# Altium PCB test_stand_2 — копия.PcbDoc
Units mm, origin at the board's own origin, x right, y up, seen from the top; angles counter-clockwise.
Board outline 94 x 80 mm, 2 copper layers (Top Layer, Bottom Layer); 198 components, 161 nets, 713 pads, 0 vias.
Unrouted connection lines stored in the file: 456.
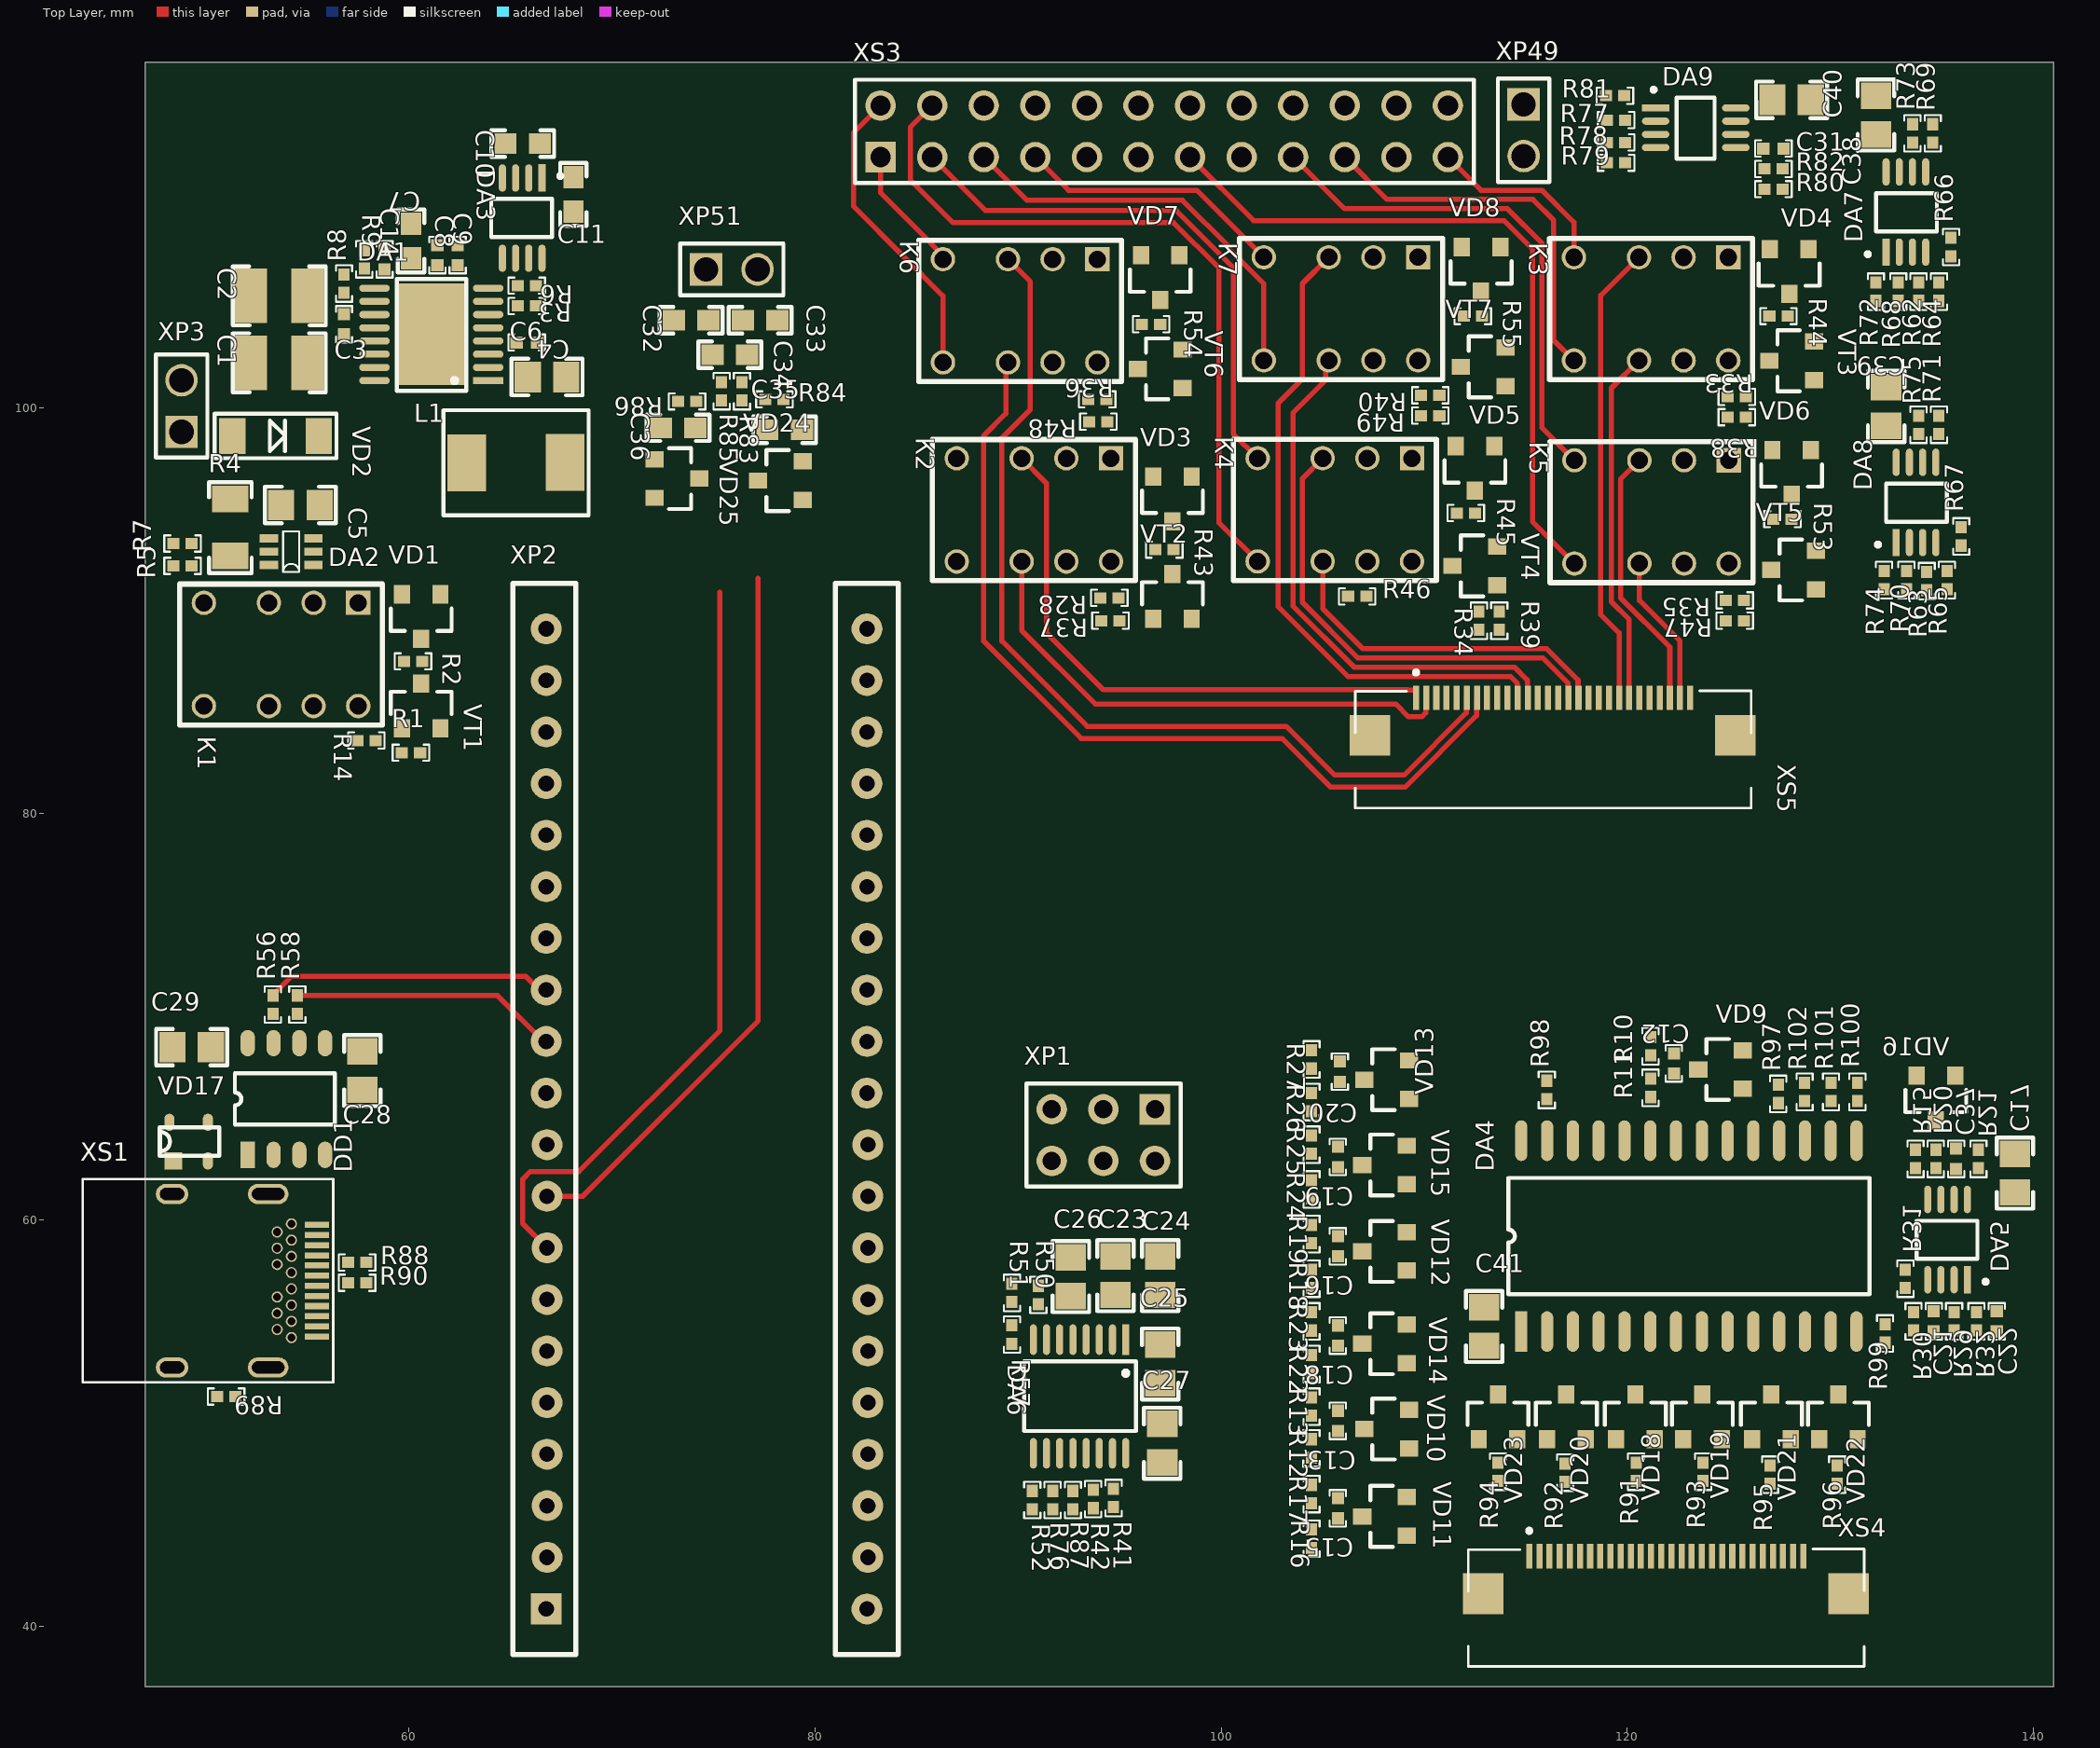
[diagram p0: Top Layer view]
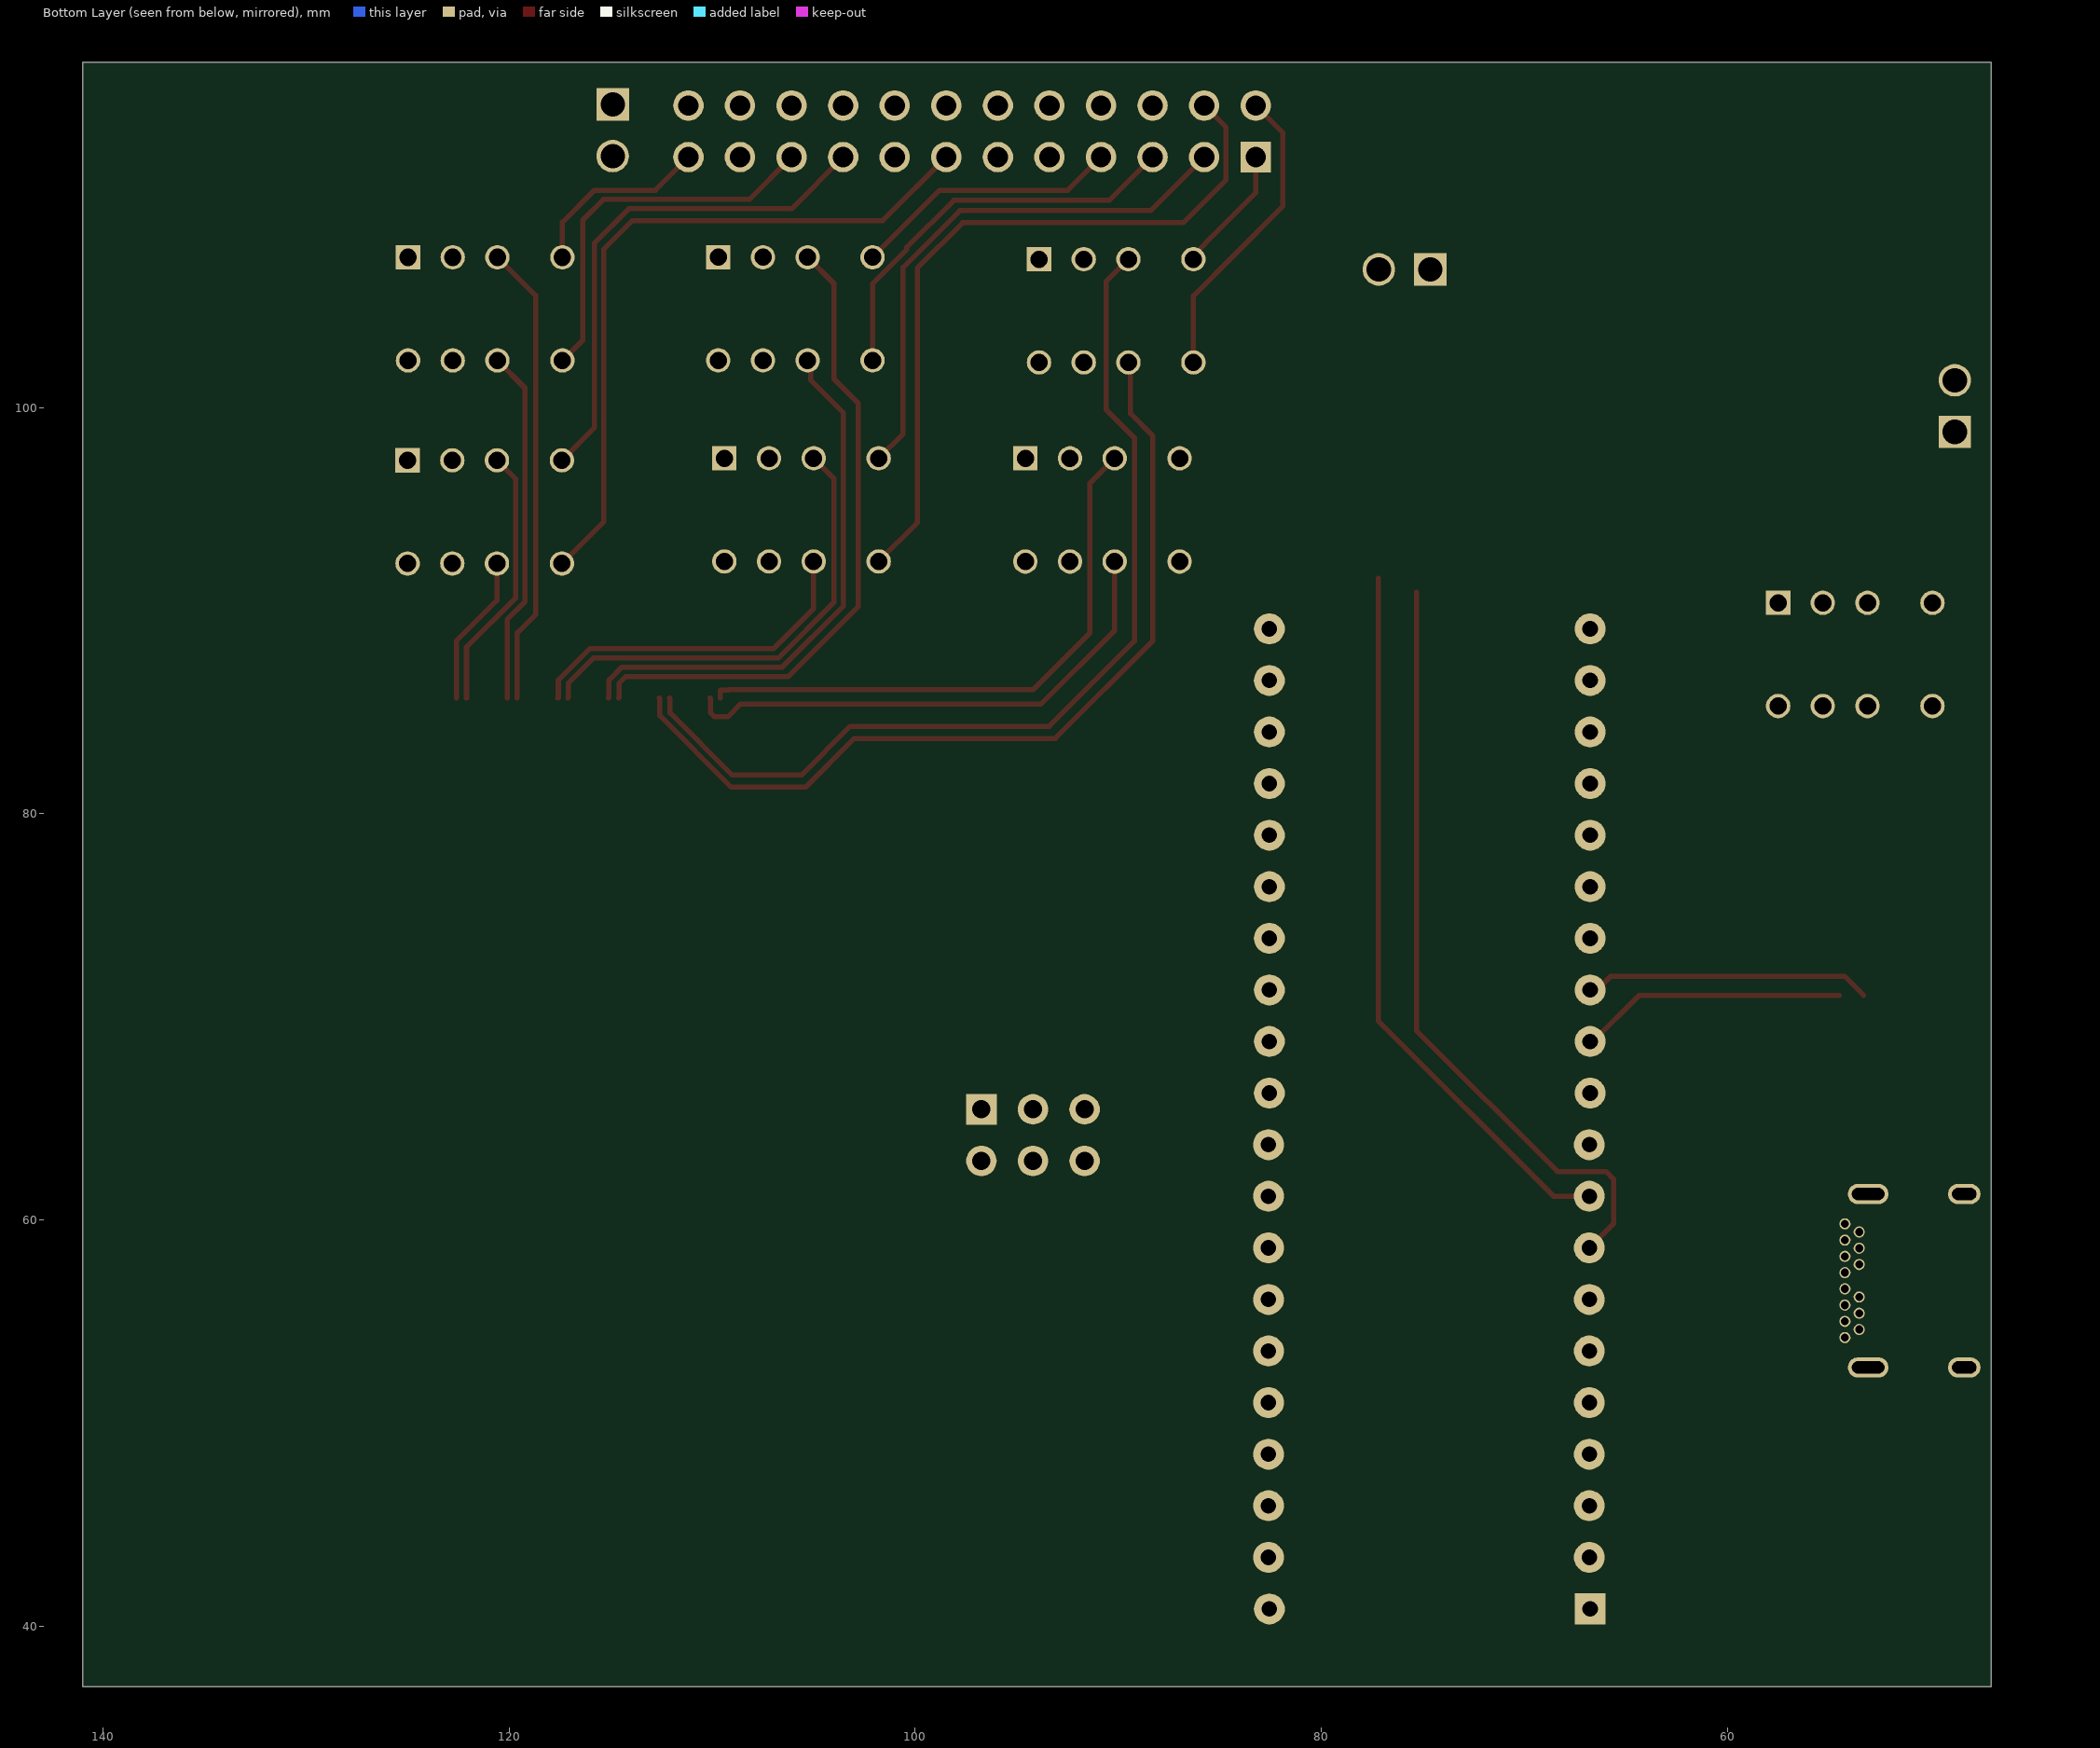
[diagram p1: Bottom Layer view, seen from below]

## Layer stack, top to bottom
Top Solder: solder mask 0.0102, Solder Resist, Dk 3.5
Top Layer: signal copper 0.0356
Dielectric 1: dielectric 0.32, FR-4, Dk 4.8
Bottom Layer: signal copper 0.0356
Bottom Solder: solder mask 0.0102, Solder Resist, Dk 3.5

## Board outline
47,37 141,37 141,117 47,117

## Design rules (kind name [scope] priority, off if disabled: settings)
Clearance [All] p1: gap=0.2 ignorepadtopadclearanceinfootprint=TRUE
DiffPairsRouting [All] p1: maxlimit=0.254 minlimit=0.254 mostfreqgap=0.254 toplayer_minwidth=0.381 toplayer_maxwidth=0.381 toplayer_prefwidth=0.381 bottomlayer_minwidth=0.381 bottomlayer_maxwidth=0.381 bottomlayer_prefwidth=0.381 maxuncoupledlength=12.7
HoleToHoleClearance [All] p1: gap=0.2 allowstackedmicrovias=TRUE
PolygonConnect [All] p1: connectstyle=Relief reliefconductorwidth=0.254 reliefentries=4 polygonreliefangle="90 Angle" airgapwidth=0.254
RoutingVias [All] p1: holewidth=0.711 width=1.27 viastyle="Through Hole" minholewidth=0.711 minwidth=1.27 maxholewidth=0.711 maxwidth=1.27
SolderMaskExpansion [All] p1: expansion=0.102 istentingtop=FALSE
Width [All] p1: maxlimit=0.5 minlimit=0.1 preferedwidth=0.254
28 further rules are at their usual default settings.

## Classes and differential pairs
component class STM: C23 C24 C25 C26 C27 DA6 R41 R42 R50 R51 R52 R57 R76 R87 XP2
component class Rele: R28 R33 R34 R35 R36 R37 R38 R39 R40 R43 R44 R45 R46 R47 R48 R49 R53 R54 R55 VD3 VD4 VD5 VD6 VD7 VD8 VT2 VT3 VT4 VT5 VT6 VT7 К2 К3 К4 К5 К6 К7
component class Power: C1 C2 C3 C4 C5 C6 C7 C8 C9 C10 C11 C14 DA1 DA2 DA3 L1 R1 R2 R3 R4 R5 R6 R7 R8 R9 R14 VD1 VD2 VT1 XP3 К1
component class Peltie: C32 C33 C34 C35 C36 R83 R84 R85 R86 VD24 VD25 XP51
component class MUX: C41 DA4 R91 R92 R93 R94 R95 R96 R97 R98 R99 R100 R101 R102 VD18 VD19 VD20 VD21 VD22 VD23
component class ControlPoint: C12 C13 C15 C16 C17 C18 C19 C20 C21 C22 C37 DA5 R10 R11 R12 R13 R15 R16 R17 R18 R19 R20 R21 R22 R23 R24 R25 R26 R27 R29 R30 R31 R32 VD9 VD10 VD11 VD12 VD13 VD14 VD15 VD16 XP1 XS4 XS5
component class Connectors: C28 C29 DD1 R56 R58 R88 R89 R90 VD17 XS1 XS3
component class Check_Laser: C31 C38 C39 C40 DA7 DA8 DA9 R62 R63 R64 R65 R66 R67 R68 R69 R70 R71 R72 R73 R74 R75 R77 R78 R79 R80 R81 R82 XP49
differential pair D: +D_P -D_N

## Components (designator, comment, footprint, x,y, rotation, side; value= is the part's Value field where it differs from the comment)
C1 "22uF" 1210C 53.6,102.2 r0 top
C2 "22uF" 1210C 53.6,105.5 r0 top
C3 "10nF" 0402C 56.8,104.1 r90 top
C4 "10uF" 0402C 65.8,103.2 r180 top
C5 "0.1uF" 0805C 54.65,95.2 r180 top
C6 "0.1uF" 0805C 66.8,101.5 r180 top
C7 "100uF" 0603C 60.1,108.2 r270 top
C8 "100nF" 0402C 61.4,107.5 r270 top
C9 "100nF" 0402C 62.4,107.5 r270 top
C10 "1uF" 0603C 65.6,113 r0 top
C11 "1uF" 0603C 68.1,110.5 r90 top
C12 "100nF" 0402C 122.3,67.7 r270 top
C13 "100nF" 0402C 105.751,50.097 r270 top
C14 "10nF" 0402C 58.8,107.3 r90 top
C15 "100nF" 0402C 105.751,45.797 r270 top
C16 "100nF" 0402C 105.751,58.697 r270 top
C17 "0.1uF" 0805C 139.1,62.3 r90 top
C18 "100nF" 0402C 105.751,54.297 r270 top
C19 "100nF" 0402C 105.751,63.097 r270 top
C20 "100nF" 0402C 105.851,67.297 r270 top
C21 "10nF" 0402C 135.1,55 r90 top
C22 "10nF" 0402C 138.2,55 r90 top
C23 "0.1uF" 0805C 94.8,57.25 r270 top
C24 "0.1uF" 0805C 97,57.25 r270 top
C25 "0.1uF" 0805C 97,52.9 r270 top
C26 "0.1uF" 0805C 92.6,57.2 r270 top
C27 "0.1uF" 0805C 97.1,49 r90 top
C28 "0.1uF" 0805C 57.7,67.35 r90 top
C29 "0.1uF" 0805C 49.3,68.5 r0 top
C31 "100nF" 0402C 127.2,112.75 r180 top
C32 "1uF" 0603C 73.9,104.3 r180 top
C33 "1uF" 0603C 77.3,104.3 r0 top
C34 "1uF" 0603C 75.8,102.6 r180 top
C35 "1uF" 0603C 78.5,98.9 r180 top
C36 "1uF" 0603C 73.25,99 r0 top
C37 "10nF" 0402C 136.2,63 r270 top
C38 "0.1uF" 0805C 132.25,114.4 r90 top
C39 "0.1uF" 0805C 132.75,100.05 r90 top
C40 "0.1uF" 0805C 128.1,115.15 r0 top
C41 "0.1uF" 0805C 112.95,54.747 r90 top
DA1 "LM43603PWPR" TSSOP-17 61.1,103.6 r90 top value=LM43603QWPR
DA2 "INA210AIDCKT" SC-70-6 54.2,92.9 r90 top
DA3 "ADP3333ARMZ-5" MSOP-8#1 66.55,111.3 r180 top
DA4 "MPC506AU" SOIC-28 123.038,59.198 r90 top
DA5 "AD8066ARMZ" MSOP-8#2 136.75,57.05 r180 top
DA6 "ADM3202ARU" TSSOP-16 93.025,51.3 r180 top
DA7 "AD8066ARMZ" MSOP-8#1 132.75,107.65 r0 top
DA8 "AD8066ARMZ" MSOP-8#1 133.25,93.35 r0 top
DA9 "AD8066ARMZ" MSOP-8#1 121.4,114.75 r270 top
DD1 "CH340N" SOP8 52.06,63.2 r90 top
L1 "IHLP2020BZER3R3M01" IHLP2020CZ-01 62.849,97.275 r0 top
R1 "1K" R0402 60.1,83 r180 top
R2 "24R" R0402 60.2,87.5 r0 top
R3 "18.2K" R0402 65.8,105 r180 top
R4 "0.018R" R1206 51.2,94.1 r270 top
R5 "100K" R0402 48.85,92.2 r180 top
R6 "10K" R0402 65.8,106 r180 top
R7 "20K" R0402 48.85,93.3 r0 top
R8 "8.2K" R0402 56.8,106.1 r90 top
R9 "40.2K" R0402 57.8,107.3 r90 top
R10 "100K" R0402 121.15,68.547 r270 top
R11 "56K" R0402 121.151,66.497 r270 top
R12 "100K" R0402 104.45,48.747 r90 top
R13 "56K" R0402 104.451,50.797 r90 top
R14 "100R" R0402 57.9,83.6 r180 top
R15 "100R" R0402 134.2,63 r270 top
R16 "100K" R0402 104.451,44.297 r90 top
R17 "56K" R0402 104.451,46.497 r90 top
R18 "100K" R0402 104.451,57.097 r90 top
R19 "56K" R0402 104.451,59.297 r90 top
R20 "100K" R0402 135.2,63 r270 top
R21 "10K" R0402 137.3,63 r270 top
R22 "100K" R0402 104.451,52.897 r90 top
R23 "56K" R0402 104.451,54.997 r90 top
R24 "100K" R0402 104.451,61.497 r90 top
R25 "56K" R0402 104.451,63.697 r90 top
R26 "100K" R0402 104.451,65.797 r90 top
R27 "56K" R0402 104.451,67.897 r90 top
R28 "100R" R0402 94.496,90.623 r180 top
R29 "100K" R0402 136.1,55 r90 top
R30 "100K" R0402 134.1,55 r90 top
R31 "100K" R0402 133.7,57.1 r90 top
R32 "10K" R0402 137.2,55 r90 top
R33 "100R" R0402 125.396,100.523 r180 top
R34 "100R" R0402 112.7,89.5 r270 top
R35 "100R" R0402 125.3,90.5 r180 top
R36 "100R" R0402 93.9,100.4 r180 top
R37 "1K" R0402 94.55,89.5 r0 top
R38 "1K" R0402 125.396,99.523 r0 top
R39 "1K" R0402 113.7,89.5 r90 top
R40 "100R" R0402 110.3,100.6 r180 top
R41 "0R" R0402 94.7,46.3 r90 top
R42 "0R" R0402 93.7,46.25 r90 top
R43 "24R" R0402 97.2,93 r0 top
R44 "24R" R0402 127.45,104.5 r0 top
R45 "24R" R0402 112.05,94.8 r0 top
R46 "10K" R0402 106.7,90.7 r180 top
R47 "1K" R0402 125.3,89.5 r0 top
R48 "1K" R0402 93.95,99.3 r0 top
R49 "1K" R0402 110.3,99.6 r0 top
R50 "0R" R0402 91,56.3 r270 top
R51 "0R" R0402 89.7,56.4 r270 top
R52 "0R" R0402 90.7,46.2 r270 top
R53 "24R" R0402 127.65,94.5 r0 top
R54 "24R" R0402 96.55,104.1 r0 top
R55 "24R" R0402 112.4,104.5 r0 top
R56 "33R" R0402 53.3,70.6 r90 top
R57 "0R" R0402 89.7,54.35 r270 top
R58 "33R" R0402 54.5,70.6 r90 top
R62 "10K" R0402 134.35,105.7 r90 top
R63 "10K" R0402 134.75,91.45 r90 top
R64 "10K" R0402 135.35,105.7 r270 top
R65 "10K" R0402 135.75,91.5 r270 top
R66 "10K" R0402 135.95,107.9 r270 top
R67 "10K" R0402 136.45,93.65 r270 top
R68 "10K" R0402 133.35,105.7 r270 top
R69 "10K" R0402 135.05,113.5 r270 top
R70 "10K" R0402 133.75,91.5 r270 top
R71 "10K" R0402 135.35,99.15 r270 top
R72 "10K" R0402 132.25,105.7 r90 top
R73 "10K" R0402 134.05,113.5 r90 top
R74 "10K" R0402 132.65,91.5 r90 top
R75 "10K" R0402 134.35,99.15 r90 top
R76 "0R" R0402 91.7,46.2 r270 top
R77 "10K" R0402 119.45,114.15 r0 top
R78 "10K" R0402 119.45,113.05 r0 top
R79 "10K" R0402 119.45,112.05 r180 top
R80 "20K" R0402 127.2,110.75 r180 top
R81 "10K" R0402 119.4,115.35 r0 top
R82 "10K" R0402 127.2,111.75 r180 top
R83 "100K" R0402 76.4,100.8 r90 top
R84 "56K" R0402 78,100.4 r0 top
R85 "100K" R0402 75.4,100.8 r90 top
R86 "56K" R0402 73.7,100.3 r180 top
R87 "0R" R0402 92.7,46.2 r270 top
R88 "5.1K" R0402 57.45,57.9 r180 top
R89 "5.1K" R0402 51,51.3 r0 top
R90 "1.5K" R0402 57.45,56.9 r0 top
R91 "100R" R0402 120.439,47.598 r90 top
R92 "100R" R0402 116.939,47.548 r90 top
R93 "100R" R0402 123.739,47.598 r90 top
R94 "100R" R0402 113.639,47.598 r90 top
R95 "100R" R0402 127.039,47.448 r90 top
R96 "100R" R0402 130.339,47.448 r90 top
R97 "10K" R0402 127.438,66.198 r90 top
R98 "0R" R0402 116.038,66.398 r270 top
R99 "10K" R0402 132.7,54.4 r90 top
R100 "10K" R0402 131.338,66.298 r270 top
R101 "10K" R0402 130.038,66.298 r270 top
R102 "10K" R0402 128.738,66.298 r270 top
VD1 "BAV99" SOT-23-3#1 60.6,89.7 r270 top
VD2 "MBRAF1540T3G" SMA-FL 53.43,98.6 r0 top
VD3 "BAV99" SOT-23-3#1 97.6,95.5 r270 top
VD4 "BAV99" SOT-23-3#1 127.977,106.696 r270 top
VD5 "BAV99" SOT-23-3#1 112.5,97 r270 top
VD6 "BAV99" SOT-23-3#1 128.1,96.8 r270 top
VD7 "BAV99" SOT-23-3#1 97,106.4 r270 top
VD8 "BAV99" SOT-23-3#1 112.8,106.8 r270 top
VD9 "BAV99" SOT-23-3#1 124.6,67.4 r180 top
VD10 "BAV99" SOT-23-3#1 108.151,49.697 r180 top
VD11 "BAV99" SOT-23-3#1 108.051,45.397 r180 top
VD12 "BAV99" SOT-23-3#1 108.05,58.447 r180 top
VD13 "BAV99" SOT-23-3#1 108.151,66.897 r180 top
VD14 "BAV99" SOT-23-3#1 108.051,53.897 r180 top